# Altium PCB XTIDA-010086.PcbDoc (part 1 of 17) (continued)
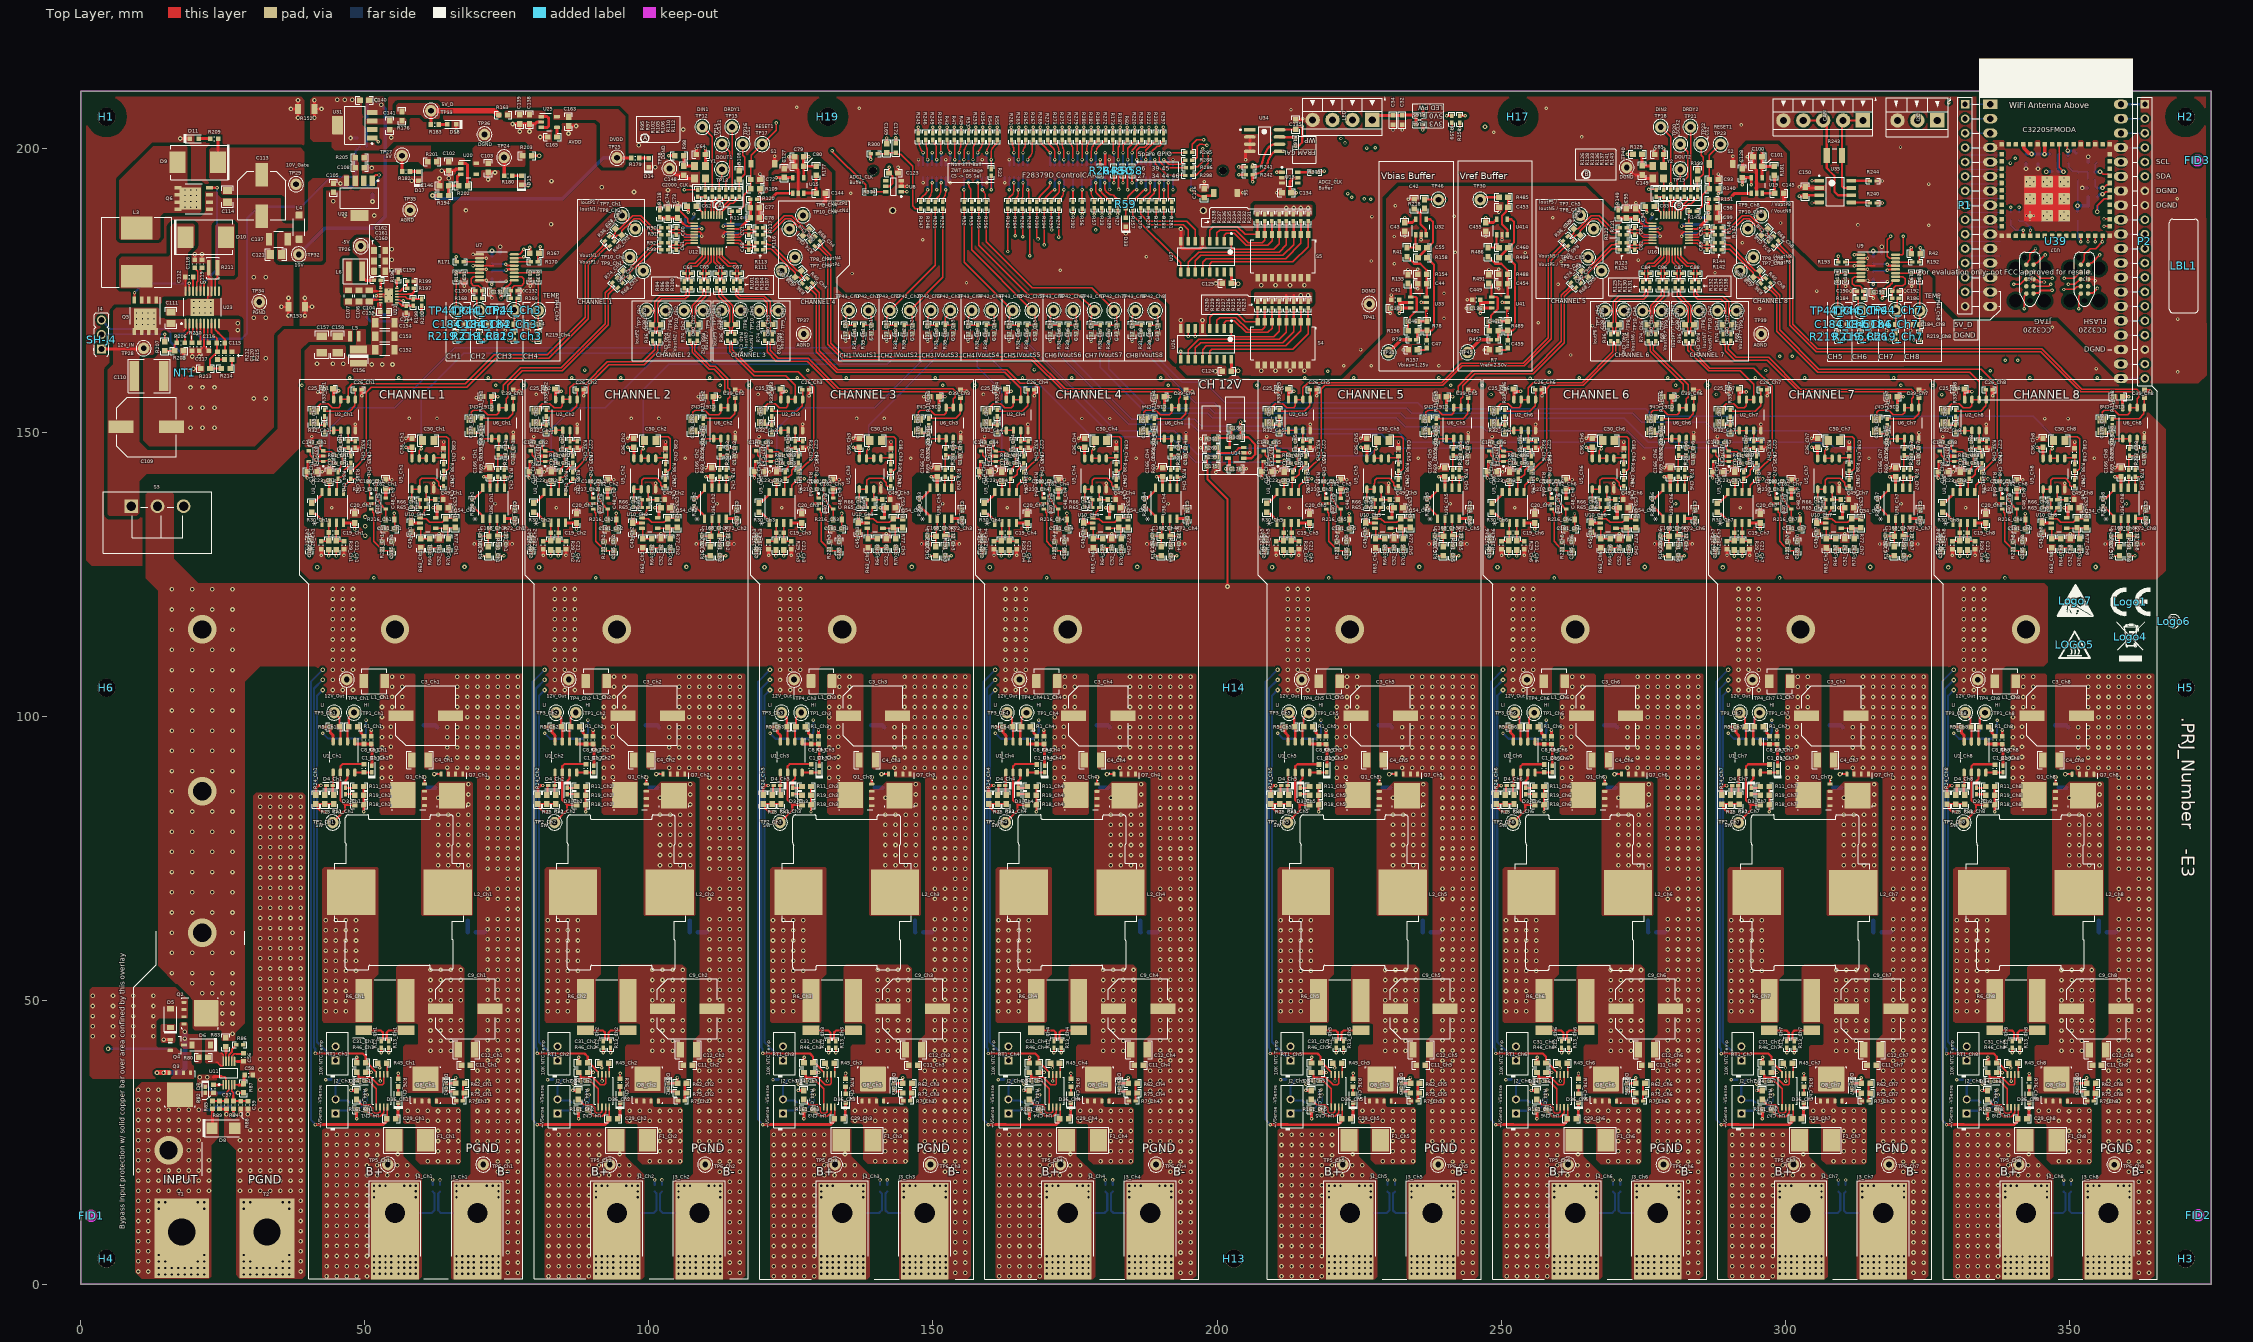
[diagram p0: Top Layer view]
## Classes and differential pairs (continued)
component class Ch7: C1_Ch7 C2_Ch7 C3_Ch7 C4_Ch7 C5_Ch7 C6_Ch7 C7_Ch7 C8_Ch7 C9_Ch7 C10_Ch7 C11_Ch7 C12_Ch7 C13_Ch7 C14_Ch7 C15_Ch7 C16_Ch7 C17_Ch7 C18_Ch7 C19_Ch7 C20_Ch7 C21_Ch7 C22_Ch7 C23_Ch7 C24_Ch7 C25_Ch7 C26_Ch7 C27_Ch7 C28_Ch7 C29_Ch7 C31_Ch7 C33_Ch7 C35_Ch7 C36_Ch7 C37_Ch7 C38_Ch7 C39_Ch7 C40_Ch7 C45_Ch7 C48_Ch7 C49_Ch7 C50_Ch7 C52_Ch7 C53_Ch7 C54_Ch7 C56_Ch7 C57_Ch7 C58_Ch7 C59_Ch7 C60_Ch7 C61_Ch7 C62_Ch7 C63_Ch7 C64_Ch7 C65_Ch7 C66_Ch7 C67_Ch7 C68_Ch7 C69_Ch7 C70_Ch7 C71_Ch7 C72_Ch7 C73_Ch7 C74_Ch7 C75_Ch7 C76_Ch7 C77_Ch7 C78_Ch7 C79_Ch7 C80_Ch7 C81_Ch7 C82_Ch7 C83_Ch7 C84_Ch7 C85_Ch7 C86_Ch7 C87_Ch7 C88_Ch7 C89_Ch7 C90_Ch7 C91_Ch7 C92_Ch7 C93_Ch7 C94_Ch7 C95_Ch7 C96_Ch7 C97_Ch7 C98_Ch7 C99_Ch7 C100_Ch7 C101_Ch7 C102_Ch7 C103_Ch7 C147_Ch7 C151_Ch7 C166_Ch7 C167_Ch7 C168_Ch7 C170_Ch7 C171_Ch7 C172_Ch7 C174_Ch7 C177_Ch7 C178_Ch7 C179_Ch7 C180_Ch7 C181_Ch7 C182_Ch7 C183_Ch7 C184_Ch7 C185_Ch7 D1_Ch7 D2_Ch7 D3_Ch7 D4_Ch7 D5_Ch7 D6_Ch7 D7_Ch7 D10_Ch7 D34_Ch7 D35_Ch7 D36_Ch7 F1_Ch7 J1_Ch7 J2_Ch7 J3_Ch7 L1_Ch7 L2_Ch7 Q1_Ch7 Q7_Ch7 Q8_Ch7 R1_Ch7 R2_Ch7 R3_Ch7 R4_Ch7 R5_Ch7 R6_Ch7 R7_Ch7 R8_Ch7 R9_Ch7 R10_Ch7 R11_Ch7 R12_Ch7 R13_Ch7 R14_Ch7 R15_Ch7 R16_Ch7 R17_Ch7 R18_Ch7 R19_Ch7 R20_Ch7 R21_Ch7 R24_Ch7 R25_Ch7 R28_Ch7 R29_Ch7 R30_Ch7 R31_Ch7 R32_Ch7 R33_Ch7 R34_Ch7 R35_Ch7 R36_Ch7 R37_Ch7 R38_Ch7 R39_Ch7 R40_Ch7 R44_Ch7 R45_Ch7 R46_Ch7 R61_Ch7 R62_Ch7 R63_Ch7 R64_Ch7 R65_Ch7 R66_Ch7 R67_Ch7 R68_Ch7 R69_Ch7 R70_Ch7 R71_Ch7 R72_Ch7 R73_Ch7 R74_Ch7 R75_Ch7 R76_Ch7 R77_Ch7 R93_Ch7 R95_Ch7 R96_Ch7 R97_Ch7 R98_Ch7 R99_Ch7 R100_Ch7 R101_Ch7 R102_Ch7 R103_Ch7 R104_Ch7 R105_Ch7 R107_Ch7 R110_Ch7 R111_Ch7 R113_Ch7 R114_Ch7 R115_Ch7 R116_Ch7 R117_Ch7 R118_Ch7 R119_Ch7 R120_Ch7 R121_Ch7 R122_Ch7 R123_Ch7 R124_Ch7 R125_Ch7 R126_Ch7 R127_Ch7 R128_Ch7 R129_Ch7 R130_Ch7 R131_Ch7 R132_Ch7 R133_Ch7 R134_Ch7 R138_Ch7 R139_Ch7 R140_Ch7 R141_Ch7 R142_Ch7 R143_Ch7 R144_Ch7 R145_Ch7 R146_Ch7 R147_Ch7 R148_Ch7 R149_Ch7 R150_Ch7 R151_Ch7 R152_Ch7 R153_Ch7 R154_Ch7 R155_Ch7 R158_Ch7 R161_Ch7 R164_Ch7 R165_Ch7 R166_Ch7 R167_Ch7 R168_Ch7 R169_Ch7 R170_Ch7 R171_Ch7 R176_Ch7 R185_Ch7 R216_Ch7 R217_Ch7 R219_Ch7 R221_Ch7 R287_Ch7 R290_Ch7 R291_Ch7 R302_Ch7 RT1_Ch7 TP1_Ch7 TP2_Ch7 TP3_Ch7 TP4_Ch7 TP5_Ch7 TP6_Ch7 TP7_Ch7 TP8_Ch7 TP9_Ch7 TP10_Ch7 TP42_Ch7 TP43_Ch7 TP44_Ch7 U1_Ch7 U2_Ch7 U3_Ch7 U4_Ch7 U5_Ch7 U6_Ch7 U10_Ch7 U17_Ch7 U18_Ch7 U19_Ch7 U20_Ch7 U21_Ch7 U22_Ch7 U36_Ch7 U37_Ch7 U40_Ch7
component class Ch6: C1_Ch6 C2_Ch6 C3_Ch6 C4_Ch6 C5_Ch6 C6_Ch6 C7_Ch6 C8_Ch6 C9_Ch6 C10_Ch6 C11_Ch6 C12_Ch6 C13_Ch6 C14_Ch6 C15_Ch6 C16_Ch6 C17_Ch6 C18_Ch6 C19_Ch6 C20_Ch6 C21_Ch6 C22_Ch6 C23_Ch6 C24_Ch6 C25_Ch6 C26_Ch6 C27_Ch6 C28_Ch6 C29_Ch6 C31_Ch6 C33_Ch6 C35_Ch6 C36_Ch6 C37_Ch6 C38_Ch6 C39_Ch6 C40_Ch6 C45_Ch6 C48_Ch6 C49_Ch6 C50_Ch6 C52_Ch6 C53_Ch6 C54_Ch6 C56_Ch6 C57_Ch6 C58_Ch6 C59_Ch6 C60_Ch6 C61_Ch6 C62_Ch6 C63_Ch6 C64_Ch6 C65_Ch6 C66_Ch6 C67_Ch6 C68_Ch6 C69_Ch6 C70_Ch6 C71_Ch6 C72_Ch6 C73_Ch6 C74_Ch6 C75_Ch6 C76_Ch6 C77_Ch6 C78_Ch6 C79_Ch6 C80_Ch6 C81_Ch6 C82_Ch6 C83_Ch6 C84_Ch6 C85_Ch6 C86_Ch6 C87_Ch6 C88_Ch6 C89_Ch6 C90_Ch6 C91_Ch6 C92_Ch6 C93_Ch6 C94_Ch6 C95_Ch6 C96_Ch6 C97_Ch6 C98_Ch6 C99_Ch6 C100_Ch6 C101_Ch6 C102_Ch6 C103_Ch6 C147_Ch6 C151_Ch6 C166_Ch6 C167_Ch6 C168_Ch6 C170_Ch6 C171_Ch6 C172_Ch6 C174_Ch6 C177_Ch6 C178_Ch6 C179_Ch6 C180_Ch6 C181_Ch6 C182_Ch6 C183_Ch6 C184_Ch6 C185_Ch6 D1_Ch6 D2_Ch6 D3_Ch6 D4_Ch6 D5_Ch6 D6_Ch6 D7_Ch6 D10_Ch6 D34_Ch6 D35_Ch6 D36_Ch6 F1_Ch6 J1_Ch6 J2_Ch6 J3_Ch6 L1_Ch6 L2_Ch6 Q1_Ch6 Q7_Ch6 Q8_Ch6 R1_Ch6 R2_Ch6 R3_Ch6 R4_Ch6 R5_Ch6 R6_Ch6 R7_Ch6 R8_Ch6 R9_Ch6 R10_Ch6 R11_Ch6 R12_Ch6 R13_Ch6 R14_Ch6 R15_Ch6 R16_Ch6 R17_Ch6 R18_Ch6 R19_Ch6 R20_Ch6 R21_Ch6 R24_Ch6 R25_Ch6 R28_Ch6 R29_Ch6 R30_Ch6 R31_Ch6 R32_Ch6 R33_Ch6 R34_Ch6 R35_Ch6 R36_Ch6 R37_Ch6 R38_Ch6 R39_Ch6 R40_Ch6 R44_Ch6 R45_Ch6 R46_Ch6 R61_Ch6 R62_Ch6 R63_Ch6 R64_Ch6 R65_Ch6 R66_Ch6 R67_Ch6 R68_Ch6 R69_Ch6 R70_Ch6 R71_Ch6 R72_Ch6 R73_Ch6 R74_Ch6 R75_Ch6 R76_Ch6 R77_Ch6 R93_Ch6 R95_Ch6 R96_Ch6 R97_Ch6 R98_Ch6 R99_Ch6 R100_Ch6 R101_Ch6 R102_Ch6 R103_Ch6 R104_Ch6 R105_Ch6 R107_Ch6 R110_Ch6 R111_Ch6 R113_Ch6 R114_Ch6 R115_Ch6 R116_Ch6 R117_Ch6 R118_Ch6 R119_Ch6 R120_Ch6 R121_Ch6 R122_Ch6 R123_Ch6 R124_Ch6 R125_Ch6 R126_Ch6 R127_Ch6 R128_Ch6 R129_Ch6 R130_Ch6 R131_Ch6 R132_Ch6 R133_Ch6 R134_Ch6 R138_Ch6 R139_Ch6 R140_Ch6 R141_Ch6 R142_Ch6 R143_Ch6 R144_Ch6 R145_Ch6 R146_Ch6 R147_Ch6 R148_Ch6 R149_Ch6 R150_Ch6 R151_Ch6 R152_Ch6 R153_Ch6 R154_Ch6 R155_Ch6 R158_Ch6 R161_Ch6 R164_Ch6 R165_Ch6 R166_Ch6 R167_Ch6 R168_Ch6 R169_Ch6 R170_Ch6 R171_Ch6 R176_Ch6 R185_Ch6 R216_Ch6 R217_Ch6 R219_Ch6 R221_Ch6 R287_Ch6 R290_Ch6 R291_Ch6 R302_Ch6 RT1_Ch6 TP1_Ch6 TP2_Ch6 TP3_Ch6 TP4_Ch6 TP5_Ch6 TP6_Ch6 TP7_Ch6 TP8_Ch6 TP9_Ch6 TP10_Ch6 TP42_Ch6 TP43_Ch6 TP44_Ch6 U1_Ch6 U2_Ch6 U3_Ch6 U4_Ch6 U5_Ch6 U6_Ch6 U10_Ch6 U17_Ch6 U18_Ch6 U19_Ch6 U20_Ch6 U21_Ch6 U22_Ch6 U36_Ch6 U37_Ch6 U40_Ch6
component class Ch5: C1_Ch5 C2_Ch5 C3_Ch5 C4_Ch5 C5_Ch5 C6_Ch5 C7_Ch5 C8_Ch5 C9_Ch5 C10_Ch5 C11_Ch5 C12_Ch5 C13_Ch5 C14_Ch5 C15_Ch5 C16_Ch5 C17_Ch5 C18_Ch5 C19_Ch5 C20_Ch5 C21_Ch5 C22_Ch5 C23_Ch5 C24_Ch5 C25_Ch5 C26_Ch5 C27_Ch5 C28_Ch5 C29_Ch5 C31_Ch5 C33_Ch5 C35_Ch5 C36_Ch5 C37_Ch5 C38_Ch5 C39_Ch5 C40_Ch5 C45_Ch5 C48_Ch5 C49_Ch5 C50_Ch5 C52_Ch5 C53_Ch5 C54_Ch5 C56_Ch5 C57_Ch5 C58_Ch5 C59_Ch5 C60_Ch5 C61_Ch5 C62_Ch5 C63_Ch5 C64_Ch5 C65_Ch5 C66_Ch5 C67_Ch5 C68_Ch5 C69_Ch5 C70_Ch5 C71_Ch5 C72_Ch5 C73_Ch5 C74_Ch5 C75_Ch5 C76_Ch5 C77_Ch5 C78_Ch5 C79_Ch5 C80_Ch5 C81_Ch5 C82_Ch5 C83_Ch5 C84_Ch5 C85_Ch5 C86_Ch5 C87_Ch5 C88_Ch5 C89_Ch5 C90_Ch5 C91_Ch5 C92_Ch5 C93_Ch5 C94_Ch5 C95_Ch5 C96_Ch5 C97_Ch5 C98_Ch5 C99_Ch5 C100_Ch5 C101_Ch5 C102_Ch5 C103_Ch5 C147_Ch5 C151_Ch5 C166_Ch5 C167_Ch5 C168_Ch5 C170_Ch5 C171_Ch5 C172_Ch5 C174_Ch5 C177_Ch5 C178_Ch5 C179_Ch5 C180_Ch5 C181_Ch5 C182_Ch5 C183_Ch5 C184_Ch5 C185_Ch5 D1_Ch5 D2_Ch5 D3_Ch5 D4_Ch5 D5_Ch5 D6_Ch5 D7_Ch5 D10_Ch5 D34_Ch5 D35_Ch5 D36_Ch5 F1_Ch5 J1_Ch5 J2_Ch5 J3_Ch5 L1_Ch5 L2_Ch5 Q1_Ch5 Q7_Ch5 Q8_Ch5 R1_Ch5 R2_Ch5 R3_Ch5 R4_Ch5 R5_Ch5 R6_Ch5 R7_Ch5 R8_Ch5 R9_Ch5 R10_Ch5 R11_Ch5 R12_Ch5 R13_Ch5 R14_Ch5 R15_Ch5 R16_Ch5 R17_Ch5 R18_Ch5 R19_Ch5 R20_Ch5 R21_Ch5 R24_Ch5 R25_Ch5 R28_Ch5 R29_Ch5 R30_Ch5 R31_Ch5 R32_Ch5 R33_Ch5 R34_Ch5 R35_Ch5 R36_Ch5 R37_Ch5 R38_Ch5 R39_Ch5 R40_Ch5 R44_Ch5 R45_Ch5 R46_Ch5 R61_Ch5 R62_Ch5 R63_Ch5 R64_Ch5 R65_Ch5 R66_Ch5 R67_Ch5 R68_Ch5 R69_Ch5 R70_Ch5 R71_Ch5 R72_Ch5 R73_Ch5 R74_Ch5 R75_Ch5 R76_Ch5 R77_Ch5 R93_Ch5 R95_Ch5 R96_Ch5 R97_Ch5 R98_Ch5 R99_Ch5 R100_Ch5 R101_Ch5 R102_Ch5 R103_Ch5 R104_Ch5 R105_Ch5 R107_Ch5 R110_Ch5 R111_Ch5 R113_Ch5 R114_Ch5 R115_Ch5 R116_Ch5 R117_Ch5 R118_Ch5 R119_Ch5 R120_Ch5 R121_Ch5 R122_Ch5 R123_Ch5 R124_Ch5 R125_Ch5 R126_Ch5 R127_Ch5 R128_Ch5 R129_Ch5 R130_Ch5 R131_Ch5 R132_Ch5 R133_Ch5 R134_Ch5 R138_Ch5 R139_Ch5 R140_Ch5 R141_Ch5 R142_Ch5 R143_Ch5 R144_Ch5 R145_Ch5 R146_Ch5 R147_Ch5 R148_Ch5 R149_Ch5 R150_Ch5 R151_Ch5 R152_Ch5 R153_Ch5 R154_Ch5 R155_Ch5 R158_Ch5 R161_Ch5 R164_Ch5 R165_Ch5 R166_Ch5 R167_Ch5 R168_Ch5 R169_Ch5 R170_Ch5 R171_Ch5 R176_Ch5 R185_Ch5 R216_Ch5 R217_Ch5 R219_Ch5 R221_Ch5 R287_Ch5 R290_Ch5 R291_Ch5 R302_Ch5 RT1_Ch5 TP1_Ch5 TP2_Ch5 TP3_Ch5 TP4_Ch5 TP5_Ch5 TP6_Ch5 TP7_Ch5 TP8_Ch5 TP9_Ch5 TP10_Ch5 TP42_Ch5 TP43_Ch5 TP44_Ch5 U1_Ch5 U2_Ch5 U3_Ch5 U4_Ch5 U5_Ch5 U6_Ch5 U10_Ch5 U17_Ch5 U18_Ch5 U19_Ch5 U20_Ch5 U21_Ch5 U22_Ch5 U36_Ch5 U37_Ch5 U40_Ch5
component class Ch4: C1_Ch4 C2_Ch4 C3_Ch4 C4_Ch4 C5_Ch4 C6_Ch4 C7_Ch4 C8_Ch4 C9_Ch4 C10_Ch4 C11_Ch4 C12_Ch4 C13_Ch4 C14_Ch4 C15_Ch4 C16_Ch4 C17_Ch4 C18_Ch4 C19_Ch4 C20_Ch4 C21_Ch4 C22_Ch4 C23_Ch4 C24_Ch4 C25_Ch4 C26_Ch4 C27_Ch4 C28_Ch4 C29_Ch4 C31_Ch4 C33_Ch4 C35_Ch4 C36_Ch4 C37_Ch4 C38_Ch4 C39_Ch4 C40_Ch4 C45_Ch4 C48_Ch4 C49_Ch4 C50_Ch4 C52_Ch4 C53_Ch4 C54_Ch4 C56_Ch4 C57_Ch4 C58_Ch4 C59_Ch4 C60_Ch4 C61_Ch4 C62_Ch4 C63_Ch4 C64_Ch4 C65_Ch4 C66_Ch4 C67_Ch4 C68_Ch4 C69_Ch4 C70_Ch4 C71_Ch4 C72_Ch4 C73_Ch4 C74_Ch4 C75_Ch4 C76_Ch4 C77_Ch4 C78_Ch4 C79_Ch4 C80_Ch4 C81_Ch4 C82_Ch4 C83_Ch4 C84_Ch4 C85_Ch4 C86_Ch4 C87_Ch4 C88_Ch4 C89_Ch4 C90_Ch4 C91_Ch4 C92_Ch4 C93_Ch4 C94_Ch4 C95_Ch4 C96_Ch4 C97_Ch4 C98_Ch4 C99_Ch4 C100_Ch4 C101_Ch4 C102_Ch4 C103_Ch4 C147_Ch4 C151_Ch4 C166_Ch4 C167_Ch4 C168_Ch4 C170_Ch4 C171_Ch4 C172_Ch4 C174_Ch4 C177_Ch4 C178_Ch4 C179_Ch4 C180_Ch4 C181_Ch4 C182_Ch4 C183_Ch4 C184_Ch4 C185_Ch4 D1_Ch4 D2_Ch4 D3_Ch4 D4_Ch4 D5_Ch4 D6_Ch4 D7_Ch4 D10_Ch4 D34_Ch4 D35_Ch4 D36_Ch4 F1_Ch4 J1_Ch4 J2_Ch4 J3_Ch4 L1_Ch4 L2_Ch4 Q1_Ch4 Q7_Ch4 Q8_Ch4 R1_Ch4 R2_Ch4 R3_Ch4 R4_Ch4 R5_Ch4 R6_Ch4 R7_Ch4 R8_Ch4 R9_Ch4 R10_Ch4 R11_Ch4 R12_Ch4 R13_Ch4 R14_Ch4 R15_Ch4 R16_Ch4 R17_Ch4 R18_Ch4 R19_Ch4 R20_Ch4 R21_Ch4 R24_Ch4 R25_Ch4 R28_Ch4 R29_Ch4 R30_Ch4 R31_Ch4 R32_Ch4 R33_Ch4 R34_Ch4 R35_Ch4 R36_Ch4 R37_Ch4 R38_Ch4 R39_Ch4 R40_Ch4 R44_Ch4 R45_Ch4 R46_Ch4 R61_Ch4 R62_Ch4 R63_Ch4 R64_Ch4 R65_Ch4 R66_Ch4 R67_Ch4 R68_Ch4 R69_Ch4 R70_Ch4 R71_Ch4 R72_Ch4 R73_Ch4 R74_Ch4 R75_Ch4 R76_Ch4 R77_Ch4 R93_Ch4 R95_Ch4 R96_Ch4 R97_Ch4 R98_Ch4 R99_Ch4 R100_Ch4 R101_Ch4 R102_Ch4 R103_Ch4 R104_Ch4 R105_Ch4 R107_Ch4 R110_Ch4 R111_Ch4 R113_Ch4 R114_Ch4 R115_Ch4 R116_Ch4 R117_Ch4 R118_Ch4 R119_Ch4 R120_Ch4 R121_Ch4 R122_Ch4 R123_Ch4 R124_Ch4 R125_Ch4 R126_Ch4 R127_Ch4 R128_Ch4 R129_Ch4 R130_Ch4 R131_Ch4 R132_Ch4 R133_Ch4 R134_Ch4 R138_Ch4 R139_Ch4 R140_Ch4 R141_Ch4 R142_Ch4 R143_Ch4 R144_Ch4 R145_Ch4 R146_Ch4 R147_Ch4 R148_Ch4 R149_Ch4 R150_Ch4 R151_Ch4 R152_Ch4 R153_Ch4 R154_Ch4 R155_Ch4 R158_Ch4 R161_Ch4 R164_Ch4 R165_Ch4 R166_Ch4 R167_Ch4 R168_Ch4 R169_Ch4 R170_Ch4 R171_Ch4 R176_Ch4 R185_Ch4 R216_Ch4 R217_Ch4 R219_Ch4 R221_Ch4 R287_Ch4 R290_Ch4 R291_Ch4 R302_Ch4 RT1_Ch4 TP1_Ch4 TP2_Ch4 TP3_Ch4 TP4_Ch4 TP5_Ch4 TP6_Ch4 TP7_Ch4 TP8_Ch4 TP9_Ch4 TP10_Ch4 TP42_Ch4 TP43_Ch4 TP44_Ch4 U1_Ch4 U2_Ch4 U3_Ch4 U4_Ch4 U5_Ch4 U6_Ch4 U10_Ch4 U17_Ch4 U18_Ch4 U19_Ch4 U20_Ch4 U21_Ch4 U22_Ch4 U36_Ch4 U37_Ch4 U40_Ch4
pad class "mounting hole": H1-1 H2-1 H3-1 H4-1 H5-1 H6-1 H7-0 H8-0 H9-0 H10-0 H11-0 H12-0 H13-1 H14-1 H15-0 H16-0 H17-1 H18-0 H19-1 H20-0
component class Ch3: C1_Ch3 C2_Ch3 C3_Ch3 C4_Ch3 C5_Ch3 C6_Ch3 C7_Ch3 C8_Ch3 C9_Ch3 C10_Ch3 C11_Ch3 C12_Ch3 C13_Ch3 C14_Ch3 C15_Ch3 C16_Ch3 C17_Ch3 C18_Ch3 C19_Ch3 C20_Ch3 C21_Ch3 C22_Ch3 C23_Ch3 C24_Ch3 C25_Ch3 C26_Ch3 C27_Ch3 C28_Ch3 C29_Ch3 C31_Ch3 C33_Ch3 C35_Ch3 C36_Ch3 C37_Ch3 C38_Ch3 C39_Ch3 C40_Ch3 C45_Ch3 C48_Ch3 C49_Ch3 C50_Ch3 C52_Ch3 C53_Ch3 C54_Ch3 C56_Ch3 C57_Ch3 C58_Ch3 C59_Ch3 C60_Ch3 C61_Ch3 C62_Ch3 C63_Ch3 C64_Ch3 C65_Ch3 C66_Ch3 C67_Ch3 C68_Ch3 C69_Ch3 C70_Ch3 C71_Ch3 C72_Ch3 C73_Ch3 C74_Ch3 C75_Ch3 C76_Ch3 C77_Ch3 C78_Ch3 C79_Ch3 C80_Ch3 C81_Ch3 C82_Ch3 C83_Ch3 C84_Ch3 C85_Ch3 C86_Ch3 C87_Ch3 C88_Ch3 C89_Ch3 C90_Ch3 C91_Ch3 C92_Ch3 C93_Ch3 C94_Ch3 C95_Ch3 C96_Ch3 C97_Ch3 C98_Ch3 C99_Ch3 C100_Ch3 C101_Ch3 C102_Ch3 C103_Ch3 C147_Ch3 C151_Ch3 C166_Ch3 C167_Ch3 C168_Ch3 C170_Ch3 C171_Ch3 C172_Ch3 C174_Ch3 C177_Ch3 C178_Ch3 C179_Ch3 C180_Ch3 C181_Ch3 C182_Ch3 C183_Ch3 C184_Ch3 C185_Ch3 D1_Ch3 D2_Ch3 D3_Ch3 D4_Ch3 D5_Ch3 D6_Ch3 D7_Ch3 D10_Ch3 D34_Ch3 D35_Ch3 D36_Ch3 F1_Ch3 J1_Ch3 J2_Ch3 J3_Ch3 L1_Ch3 L2_Ch3 Q1_Ch3 Q7_Ch3 Q8_Ch3 R1_Ch3 R2_Ch3 R3_Ch3 R4_Ch3 R5_Ch3 R6_Ch3 R7_Ch3 R8_Ch3 R9_Ch3 R10_Ch3 R11_Ch3 R12_Ch3 R13_Ch3 R14_Ch3 R15_Ch3 R16_Ch3 R17_Ch3 R18_Ch3 R19_Ch3 R20_Ch3 R21_Ch3 R24_Ch3 R25_Ch3 R28_Ch3 R29_Ch3 R30_Ch3 R31_Ch3 R32_Ch3 R33_Ch3 R34_Ch3 R35_Ch3 R36_Ch3 R37_Ch3 R38_Ch3 R39_Ch3 R40_Ch3 R44_Ch3 R45_Ch3 R46_Ch3 R61_Ch3 R62_Ch3 R63_Ch3 R64_Ch3 R65_Ch3 R66_Ch3 R67_Ch3 R68_Ch3 R69_Ch3 R70_Ch3 R71_Ch3 R72_Ch3 R73_Ch3 R74_Ch3 R75_Ch3 R76_Ch3 R77_Ch3 R93_Ch3 R95_Ch3 R96_Ch3 R97_Ch3 R98_Ch3 R99_Ch3 R100_Ch3 R101_Ch3 R102_Ch3 R103_Ch3 R104_Ch3 R105_Ch3 R107_Ch3 R110_Ch3 R111_Ch3 R113_Ch3 R114_Ch3 R115_Ch3 R116_Ch3 R117_Ch3 R118_Ch3 R119_Ch3 R120_Ch3 R121_Ch3 R122_Ch3 R123_Ch3 R124_Ch3 R125_Ch3 R126_Ch3 R127_Ch3 R128_Ch3 R129_Ch3 R130_Ch3 R131_Ch3 R132_Ch3 R133_Ch3 R134_Ch3 R138_Ch3 R139_Ch3 R140_Ch3 R141_Ch3 R142_Ch3 R143_Ch3 R144_Ch3 R145_Ch3 R146_Ch3 R147_Ch3 R148_Ch3 R149_Ch3 R150_Ch3 R151_Ch3 R152_Ch3 R153_Ch3 R154_Ch3 R155_Ch3 R158_Ch3 R161_Ch3 R164_Ch3 R165_Ch3 R166_Ch3 R167_Ch3 R168_Ch3 R169_Ch3 R170_Ch3 R171_Ch3 R176_Ch3 R185_Ch3 R216_Ch3 R217_Ch3 R219_Ch3 R221_Ch3 R287_Ch3 R290_Ch3 R291_Ch3 R302_Ch3 RT1_Ch3 TP1_Ch3 TP2_Ch3 TP3_Ch3 TP4_Ch3 TP5_Ch3 TP6_Ch3 TP7_Ch3 TP8_Ch3 TP9_Ch3 TP10_Ch3 TP42_Ch3 TP43_Ch3 TP44_Ch3 U1_Ch3 U2_Ch3 U3_Ch3 U4_Ch3 U5_Ch3 U6_Ch3 U10_Ch3 U17_Ch3 U18_Ch3 U19_Ch3 U20_Ch3 U21_Ch3 U22_Ch3 U36_Ch3 U37_Ch3 U40_Ch3
component class Ch2: C1_Ch2 C2_Ch2 C3_Ch2 C4_Ch2 C5_Ch2 C6_Ch2 C7_Ch2 C8_Ch2 C9_Ch2 C10_Ch2 C11_Ch2 C12_Ch2 C13_Ch2 C14_Ch2 C15_Ch2 C16_Ch2 C17_Ch2 C18_Ch2 C19_Ch2 C20_Ch2 C21_Ch2 C22_Ch2 C23_Ch2 C24_Ch2 C25_Ch2 C26_Ch2 C27_Ch2 C28_Ch2 C29_Ch2 C31_Ch2 C33_Ch2 C35_Ch2 C36_Ch2 C37_Ch2 C38_Ch2 C39_Ch2 C40_Ch2 C45_Ch2 C48_Ch2 C49_Ch2 C50_Ch2 C52_Ch2 C53_Ch2 C54_Ch2 C56_Ch2 C57_Ch2 C58_Ch2 C59_Ch2 C60_Ch2 C61_Ch2 C62_Ch2 C63_Ch2 C64_Ch2 C65_Ch2 C66_Ch2 C67_Ch2 C68_Ch2 C69_Ch2 C70_Ch2 C71_Ch2 C72_Ch2 C73_Ch2 C74_Ch2 C75_Ch2 C76_Ch2 C77_Ch2 C78_Ch2 C79_Ch2 C80_Ch2 C81_Ch2 C82_Ch2 C83_Ch2 C84_Ch2 C85_Ch2 C86_Ch2 C87_Ch2 C88_Ch2 C89_Ch2 C90_Ch2 C91_Ch2 C92_Ch2 C93_Ch2 C94_Ch2 C95_Ch2 C96_Ch2 C97_Ch2 C98_Ch2 C99_Ch2 C100_Ch2 C101_Ch2 C102_Ch2 C103_Ch2 C147_Ch2 C151_Ch2 C166_Ch2 C167_Ch2 C168_Ch2 C170_Ch2 C171_Ch2 C172_Ch2 C174_Ch2 C177_Ch2 C178_Ch2 C179_Ch2 C180_Ch2 C181_Ch2 C182_Ch2 C183_Ch2 C184_Ch2 C185_Ch2 D1_Ch2 D2_Ch2 D3_Ch2 D4_Ch2 D5_Ch2 D6_Ch2 D7_Ch2 D10_Ch2 D34_Ch2 D35_Ch2 D36_Ch2 F1_Ch2 J1_Ch2 J2_Ch2 J3_Ch2 L1_Ch2 L2_Ch2 Q1_Ch2 Q7_Ch2 Q8_Ch2 R1_Ch2 R2_Ch2 R3_Ch2 R4_Ch2 R5_Ch2 R6_Ch2 R7_Ch2 R8_Ch2 R9_Ch2 R10_Ch2 R11_Ch2 R12_Ch2 R13_Ch2 R14_Ch2 R15_Ch2 R16_Ch2 R17_Ch2 R18_Ch2 R19_Ch2 R20_Ch2 R21_Ch2 R24_Ch2 R25_Ch2 R28_Ch2 R29_Ch2 R30_Ch2 R31_Ch2 R32_Ch2 R33_Ch2 R34_Ch2 R35_Ch2 R36_Ch2 R37_Ch2 R38_Ch2 R39_Ch2 R40_Ch2 R44_Ch2 R45_Ch2 R46_Ch2 R61_Ch2 R62_Ch2 R63_Ch2 R64_Ch2 R65_Ch2 R66_Ch2 R67_Ch2 R68_Ch2 R69_Ch2 R70_Ch2 R71_Ch2 R72_Ch2 R73_Ch2 R74_Ch2 R75_Ch2 R76_Ch2 R77_Ch2 R93_Ch2 R95_Ch2 R96_Ch2 R97_Ch2 R98_Ch2 R99_Ch2 R100_Ch2 R101_Ch2 R102_Ch2 R103_Ch2 R104_Ch2 R105_Ch2 R107_Ch2 R110_Ch2 R111_Ch2 R113_Ch2 R114_Ch2 R115_Ch2 R116_Ch2 R117_Ch2 R118_Ch2 R119_Ch2 R120_Ch2 R121_Ch2 R122_Ch2 R123_Ch2 R124_Ch2 R125_Ch2 R126_Ch2 R127_Ch2 R128_Ch2 R129_Ch2 R130_Ch2 R131_Ch2 R132_Ch2 R133_Ch2 R134_Ch2 R138_Ch2 R139_Ch2 R140_Ch2 R141_Ch2 R142_Ch2 R143_Ch2 R144_Ch2 R145_Ch2 R146_Ch2 R147_Ch2 R148_Ch2 R149_Ch2 R150_Ch2 R151_Ch2 R152_Ch2 R153_Ch2 R154_Ch2 R155_Ch2 R158_Ch2 R161_Ch2 R164_Ch2 R165_Ch2 R166_Ch2 R167_Ch2 R168_Ch2 R169_Ch2 R170_Ch2 R171_Ch2 R176_Ch2 R185_Ch2 R216_Ch2 R217_Ch2 R219_Ch2 R221_Ch2 R287_Ch2 R290_Ch2 R291_Ch2 R302_Ch2 RT1_Ch2 TP1_Ch2 TP2_Ch2 TP3_Ch2 TP4_Ch2 TP5_Ch2 TP6_Ch2 TP7_Ch2 TP8_Ch2 TP9_Ch2 TP10_Ch2 TP42_Ch2 TP43_Ch2 TP44_Ch2 U1_Ch2 U2_Ch2 U3_Ch2 U4_Ch2 U5_Ch2 U6_Ch2 U10_Ch2 U17_Ch2 U18_Ch2 U19_Ch2 U20_Ch2 U21_Ch2 U22_Ch2 U36_Ch2 U37_Ch2 U40_Ch2
component class Ch1: C1_Ch1 C2_Ch1 C3_Ch1 C4_Ch1 C5_Ch1 C6_Ch1 C7_Ch1 C8_Ch1 C9_Ch1 C10_Ch1 C11_Ch1 C12_Ch1 C13_Ch1 C14_Ch1 C15_Ch1 C16_Ch1 C17_Ch1 C18_Ch1 C19_Ch1 C20_Ch1 C21_Ch1 C22_Ch1 C23_Ch1 C24_Ch1 C25_Ch1 C26_Ch1 C27_Ch1 C28_Ch1 C29_Ch1 C31_Ch1 C33_Ch1 C35_Ch1 C36_Ch1 C37_Ch1 C38_Ch1 C39_Ch1 C40_Ch1 C45_Ch1 C48_Ch1 C49_Ch1 C50_Ch1 C52_Ch1 C53_Ch1 C54_Ch1 C56_Ch1 C57_Ch1 C58_Ch1 C59_Ch1 C60_Ch1 C61_Ch1 C62_Ch1 C63_Ch1 C64_Ch1 C65_Ch1 C66_Ch1 C67_Ch1 C68_Ch1 C69_Ch1 C70_Ch1 C71_Ch1 C72_Ch1 C73_Ch1 C74_Ch1 C75_Ch1 C76_Ch1 C77_Ch1 C78_Ch1 C79_Ch1 C80_Ch1 C81_Ch1 C82_Ch1 C83_Ch1 C84_Ch1 C85_Ch1 C86_Ch1 C87_Ch1 C88_Ch1 C89_Ch1 C90_Ch1 C91_Ch1 C92_Ch1 C93_Ch1 C94_Ch1 C95_Ch1 C96_Ch1 C97_Ch1 C98_Ch1 C99_Ch1 C100_Ch1 C101_Ch1 C102_Ch1 C103_Ch1 C147_Ch1 C151_Ch1 C166_Ch1 C167_Ch1 C168_Ch1 C170_Ch1 C171_Ch1 C172_Ch1 C174_Ch1 C177_Ch1 C178_Ch1 C179_Ch1 C180_Ch1 C181_Ch1 C182_Ch1 C183_Ch1 C184_Ch1 C185_Ch1 D1_Ch1 D2_Ch1 D3_Ch1 D4_Ch1 D5_Ch1 D6_Ch1 D7_Ch1 D10_Ch1 D34_Ch1 D35_Ch1 D36_Ch1 F1_Ch1 J1_Ch1 J2_Ch1 J3_Ch1 L1_Ch1 L2_Ch1 Q1_Ch1 Q7_Ch1 Q8_Ch1 R1_Ch1 R2_Ch1 R3_Ch1 R4_Ch1 R5_Ch1 R6_Ch1 R7_Ch1 R8_Ch1 R9_Ch1 R10_Ch1 R11_Ch1 R12_Ch1 R13_Ch1 R14_Ch1 R15_Ch1 R16_Ch1 R17_Ch1 R18_Ch1 R19_Ch1 R20_Ch1 R21_Ch1 R24_Ch1 R25_Ch1 R28_Ch1 R29_Ch1 R30_Ch1 R31_Ch1 R32_Ch1 R33_Ch1 R34_Ch1 R35_Ch1 R36_Ch1 R37_Ch1 R38_Ch1 R39_Ch1 R40_Ch1 R44_Ch1 R45_Ch1 R46_Ch1 R61_Ch1 R62_Ch1 R63_Ch1 R64_Ch1 R65_Ch1 R66_Ch1 R67_Ch1 R68_Ch1 R69_Ch1 R70_Ch1 R71_Ch1 R72_Ch1 R73_Ch1 R74_Ch1 R75_Ch1 R76_Ch1 R77_Ch1 R93_Ch1 R95_Ch1 R96_Ch1 R97_Ch1 R98_Ch1 R99_Ch1 R100_Ch1 R101_Ch1 R102_Ch1 R103_Ch1 R104_Ch1 R105_Ch1 R107_Ch1 R110_Ch1 R111_Ch1 R113_Ch1 R114_Ch1 R115_Ch1 R116_Ch1 R117_Ch1 R118_Ch1 R119_Ch1 R120_Ch1 R121_Ch1 R122_Ch1 R123_Ch1 R124_Ch1 R125_Ch1 R126_Ch1 R127_Ch1 R128_Ch1 R129_Ch1 R130_Ch1 R131_Ch1 R132_Ch1 R133_Ch1 R134_Ch1 R138_Ch1 R139_Ch1 R140_Ch1 R141_Ch1 R142_Ch1 R143_Ch1 R144_Ch1 R145_Ch1 R146_Ch1 R147_Ch1 R148_Ch1 R149_Ch1 R150_Ch1 R151_Ch1 R152_Ch1 R153_Ch1 R154_Ch1 R155_Ch1 R158_Ch1 R161_Ch1 R164_Ch1 R165_Ch1 R166_Ch1 R167_Ch1 R168_Ch1 R169_Ch1 R170_Ch1 R171_Ch1 R176_Ch1 R185_Ch1 R216_Ch1 R217_Ch1 R219_Ch1 R221_Ch1 R287_Ch1 R290_Ch1 R291_Ch1 R302_Ch1 RT1_Ch1 TP1_Ch1 TP2_Ch1 TP3_Ch1 TP4_Ch1 TP5_Ch1 TP6_Ch1 TP7_Ch1 TP8_Ch1 TP9_Ch1 TP10_Ch1 TP42_Ch1 TP43_Ch1 TP44_Ch1 U1_Ch1 U2_Ch1 U3_Ch1 U4_Ch1 U5_Ch1 U6_Ch1 U10_Ch1 U17_Ch1 U18_Ch1 U19_Ch1 U20_Ch1 U21_Ch1 U22_Ch1 U36_Ch1 U37_Ch1 U40_Ch1
component class "Bias Power Supply": C28 C102 C103 C104 C105 C106 C107 C108 C109 C110 C111 C112 C113 C114 C115 C116 C117 C118 C119 C120 C121 C137 C138 C139 C140 C141 C142 C143 C146 C152 C153 C154 C155 C156 C157 C158 C159 C160 C161 C162 C163 C164 C165 D1 D3 D9 D10 D11 D14 D15 D17 D18 J4 L3 L4 L5 L6 NT1 Q5 Q6 R163 R176 R179 R180 R182 R183 R188 R189 R190 R191 R194 R195 R196 R197 R198 R199 R200 R201 R202 R203 R205 R206 R207 R208 R209 R210 R211 R212 R213 R214 R215 S3 SH-J4 TP2 TP3 TP4 TP5 TP6 TP24 TP25 TP26 TP27 TP28 TP29 TP32 TP33 TP34 TP35 TP36 U20 U21 U22 U23 U25 U31
component class Hardware: FID1 FID2 FID3 FID4 FID5 FID6 H1 H2 H3 H4 H5 H6 H7 H8 H9 H10 H11 H12 H13 H14 H15 H16 H17 H18 H19 H20 LBL1 Logo1 Logo3 Logo4 LOGO5 Logo6 Logo7 ZZ1 ZZ2 ZZ3 ZZ4

## Components (designator, comment, footprint, x,y, rotation, side; value= is the part's Value field where it differs from the comment)
C1_Ch1 "C0603C104J3RACTU" 0603L 49.843,90.787 r90 top value=0.1uF (schematic designator C1)
C1_Ch2 "C0603C104J3RACTU" 0603L 88.908,90.785 r90 top value=0.1uF (schematic designator C1)
C1_Ch3 "C0603C104J3RACTU" 0603L 128.583,90.783 r90 top value=0.1uF (schematic designator C1)
C1_Ch4 "C0603C104J3RACTU" 0603L 168.258,90.781 r90 top value=0.1uF (schematic designator C1)
C1_Ch5 "C0603C104J3RACTU" 0603L 217.933,90.779 r90 top value=0.1uF (schematic designator C1)
C1_Ch6 "C0603C104J3RACTU" 0603L 257.608,90.777 r90 top value=0.1uF (schematic designator C1)
C1_Ch7 "C0603C104J3RACTU" 0603L 297.282,90.775 r90 top value=0.1uF (schematic designator C1)
C1_Ch8 "C0603C104J3RACTU" 0603L 336.957,90.773 r90 top value=0.1uF (schematic designator C1)
C2_Ch1 "GRM1885C1H101JA01D" 0603L 63.119,87.427 r180 bottom value=100pF (schematic designator C2)
C2_Ch2 "GRM1885C1H101JA01D" 0603L 102.184,87.425 r180 bottom value=100pF (schematic designator C2)
C2_Ch3 "GRM1885C1H101JA01D" 0603L 141.859,87.423 r180 bottom value=100pF (schematic designator C2)
C2_Ch4 "GRM1885C1H101JA01D" 0603L 181.534,87.421 r180 bottom value=100pF (schematic designator C2)
C2_Ch5 "GRM1885C1H101JA01D" 0603L 231.209,87.419 r180 bottom value=100pF (schematic designator C2)
C2_Ch6 "GRM1885C1H101JA01D" 0603L 270.883,87.417 r180 bottom value=100pF (schematic designator C2)
C2_Ch7 "GRM1885C1H101JA01D" 0603L 310.558,87.415 r180 bottom value=100pF (schematic designator C2)
C2_Ch8 "GRM1885C1H101JA01D" 0603L 350.233,87.413 r180 bottom value=100pF (schematic designator C2)
C3_Ch1 "35SVPK330M" CAPSMT_62_F12 60.706,100.076 r0 top value=330uF (schematic designator C3)
C3_Ch2 "35SVPK330M" CAPSMT_62_F12 99.771,100.074 r0 top value=330uF (schematic designator C3)
C3_Ch3 "35SVPK330M" CAPSMT_62_F12 139.446,100.072 r0 top value=330uF (schematic designator C3)
C3_Ch4 "35SVPK330M" CAPSMT_62_F12 179.121,100.07 r0 top value=330uF (schematic designator C3)
C3_Ch5 "35SVPK330M" CAPSMT_62_F12 228.796,100.068 r0 top value=330uF (schematic designator C3)
C3_Ch6 "35SVPK330M" CAPSMT_62_F12 268.47,100.066 r0 top value=330uF (schematic designator C3)
C3_Ch7 "35SVPK330M" CAPSMT_62_F12 308.145,100.064 r0 top value=330uF (schematic designator C3)
C3_Ch8 "35SVPK330M" CAPSMT_62_F12 347.82,100.062 r0 top value=330uF (schematic designator C3)
C4_Ch1 "GRM32ER71E226KE15L" 1210_270 59.69,92.278 r0 top value=22uF (schematic designator C4)
C4_Ch2 "GRM32ER71E226KE15L" 1210_270 98.755,92.276 r0 top value=22uF (schematic designator C4)
C4_Ch3 "GRM32ER71E226KE15L" 1210_270 138.43,92.274 r0 top value=22uF (schematic designator C4)
C4_Ch4 "GRM32ER71E226KE15L" 1210_270 178.105,92.272 r0 top value=22uF (schematic designator C4)
C4_Ch5 "GRM32ER71E226KE15L" 1210_270 227.78,92.27 r0 top value=22uF (schematic designator C4)
C4_Ch6 "GRM32ER71E226KE15L" 1210_270 267.454,92.268 r0 top value=22uF (schematic designator C4)
C4_Ch7 "GRM32ER71E226KE15L" 1210_270 307.129,92.266 r0 top value=22uF (schematic designator C4)
C4_Ch8 "GRM32ER71E226KE15L" 1210_270 346.804,92.264 r0 top value=22uF (schematic designator C4)
C5_Ch1 "GRM32ER71E226KE15L" 1210_270 59.69,92.278 r0 bottom value=22uF (schematic designator C5)
C5_Ch2 "GRM32ER71E226KE15L" 1210_270 98.755,92.276 r0 bottom value=22uF (schematic designator C5)
C5_Ch3 "GRM32ER71E226KE15L" 1210_270 138.43,92.274 r0 bottom value=22uF (schematic designator C5)
C5_Ch4 "GRM32ER71E226KE15L" 1210_270 178.105,92.272 r0 bottom value=22uF (schematic designator C5)
C5_Ch5 "GRM32ER71E226KE15L" 1210_270 227.78,92.27 r0 bottom value=22uF (schematic designator C5)
C5_Ch6 "GRM32ER71E226KE15L" 1210_270 267.454,92.268 r0 bottom value=22uF (schematic designator C5)
C5_Ch7 "GRM32ER71E226KE15L" 1210_270 307.129,92.266 r0 bottom value=22uF (schematic designator C5)
C5_Ch8 "GRM32ER71E226KE15L" 1210_270 346.804,92.264 r0 bottom value=22uF (schematic designator C5)
C6_Ch1 "GRM32ER71E226KE15L" 1210_270 59.69,95.758 r0 bottom value=22uF (schematic designator C6)
C6_Ch2 "GRM32ER71E226KE15L" 1210_270 98.755,95.756 r0 bottom value=22uF (schematic designator C6)
C6_Ch3 "GRM32ER71E226KE15L" 1210_270 138.43,95.754 r0 bottom value=22uF (schematic designator C6)
C6_Ch4 "GRM32ER71E226KE15L" 1210_270 178.105,95.752 r0 bottom value=22uF (schematic designator C6)
C6_Ch5 "GRM32ER71E226KE15L" 1210_270 227.78,95.75 r0 bottom value=22uF (schematic designator C6)
C6_Ch6 "GRM32ER71E226KE15L" 1210_270 267.454,95.748 r0 bottom value=22uF (schematic designator C6)
C6_Ch7 "GRM32ER71E226KE15L" 1210_270 307.129,95.746 r0 bottom value=22uF (schematic designator C6)
C6_Ch8 "GRM32ER71E226KE15L" 1210_270 346.804,95.744 r0 bottom value=22uF (schematic designator C6)
C7_Ch1 "Capacitor" 0603 59.588,98.374 r0 bottom value=0.1uF (schematic designator C7)
C7_Ch2 "Capacitor" 0603 98.654,98.372 r0 bottom value=0.1uF (schematic designator C7)
C7_Ch3 "Capacitor" 0603 138.328,98.37 r0 bottom value=0.1uF (schematic designator C7)
C7_Ch4 "Capacitor" 0603 178.003,98.368 r0 bottom value=0.1uF (schematic designator C7)
C7_Ch5 "Capacitor" 0603 227.678,98.366 r0 bottom value=0.1uF (schematic designator C7)
C7_Ch6 "Capacitor" 0603 267.353,98.364 r0 bottom value=0.1uF (schematic designator C7)
C7_Ch7 "Capacitor" 0603 307.028,98.362 r0 bottom value=0.1uF (schematic designator C7)
C7_Ch8 "Capacitor" 0603 346.702,98.36 r0 bottom value=0.1uF (schematic designator C7)
C8_Ch1 "C0603C105K3RACTU" 0603L 49.843,95.79 r270 top value=1uF (schematic designator C8)
C8_Ch2 "C0603C105K3RACTU" 0603L 88.908,95.788 r270 top value=1uF (schematic designator C8)
C8_Ch3 "C0603C105K3RACTU" 0603L 128.583,95.786 r270 top value=1uF (schematic designator C8)
C8_Ch4 "C0603C105K3RACTU" 0603L 168.258,95.784 r270 top value=1uF (schematic designator C8)
C8_Ch5 "C0603C105K3RACTU" 0603L 217.933,95.782 r270 top value=1uF (schematic designator C8)
C8_Ch6 "C0603C105K3RACTU" 0603L 257.608,95.78 r270 top value=1uF (schematic designator C8)
C8_Ch7 "C0603C105K3RACTU" 0603L 297.282,95.778 r270 top value=1uF (schematic designator C8)
C8_Ch8 "C0603C105K3RACTU" 0603L 336.957,95.776 r270 top value=1uF (schematic designator C8)
C9_Ch1 "20SVF560M" SM_RADIAL_10AMM 67.691,48.489 r0 top value=560uF (schematic designator C9)
C9_Ch2 "20SVF560M" SM_RADIAL_10AMM 106.756,48.487 r0 top value=560uF (schematic designator C9)
C9_Ch3 "20SVF560M" SM_RADIAL_10AMM 146.431,48.485 r0 top value=560uF (schematic designator C9)
C9_Ch4 "20SVF560M" SM_RADIAL_10AMM 186.106,48.483 r0 top value=560uF (schematic designator C9)
C9_Ch5 "20SVF560M" SM_RADIAL_10AMM 235.781,48.481 r0 top value=560uF (schematic designator C9)
C9_Ch6 "20SVF560M" SM_RADIAL_10AMM 275.455,48.479 r0 top value=560uF (schematic designator C9)
C9_Ch7 "20SVF560M" SM_RADIAL_10AMM 315.13,48.477 r0 top value=560uF (schematic designator C9)
C9_Ch8 "20SVF560M" SM_RADIAL_10AMM 354.805,48.475 r0 top value=560uF (schematic designator C9)
C10_Ch1 "20SVF560M" SM_RADIAL_10AMM 67.691,48.489 r0 bottom value=560uF (schematic designator C10)
C10_Ch2 "20SVF560M" SM_RADIAL_10AMM 106.756,48.487 r0 bottom value=560uF (schematic designator C10)
C10_Ch3 "20SVF560M" SM_RADIAL_10AMM 146.431,48.485 r0 bottom value=560uF (schematic designator C10)
C10_Ch4 "20SVF560M" SM_RADIAL_10AMM 186.106,48.483 r0 bottom value=560uF (schematic designator C10)
C10_Ch5 "20SVF560M" SM_RADIAL_10AMM 235.781,48.481 r0 bottom value=560uF (schematic designator C10)
C10_Ch6 "20SVF560M" SM_RADIAL_10AMM 275.455,48.479 r0 bottom value=560uF (schematic designator C10)
C10_Ch7 "20SVF560M" SM_RADIAL_10AMM 315.13,48.477 r0 bottom value=560uF (schematic designator C10)
C10_Ch8 "20SVF560M" SM_RADIAL_10AMM 354.805,48.475 r0 bottom value=560uF (schematic designator C10)
C11_Ch1 "Capacitor" 0603 67.793,38.532 r0 top value=0.1uF (schematic designator C11)
C11_Ch2 "Capacitor" 0603 106.858,38.53 r0 top value=0.1uF (schematic designator C11)
C11_Ch3 "Capacitor" 0603 146.533,38.528 r0 top value=0.1uF (schematic designator C11)
C11_Ch4 "Capacitor" 0603 186.207,38.526 r0 top value=0.1uF (schematic designator C11)
C11_Ch5 "Capacitor" 0603 235.882,38.524 r0 top value=0.1uF (schematic designator C11)
C11_Ch6 "Capacitor" 0603 275.557,38.522 r0 top value=0.1uF (schematic designator C11)
C11_Ch7 "Capacitor" 0603 315.232,38.52 r0 top value=0.1uF (schematic designator C11)
C11_Ch8 "Capacitor" 0603 354.907,38.518 r0 top value=0.1uF (schematic designator C11)
C12_Ch1 "GRM32ER71A476ME15L" 1210_270 67.869,41.25 r0 top value=47uF (schematic designator C12)